# Altium PCB as_x31.PcbDoc (part 1 of 4) (continued)
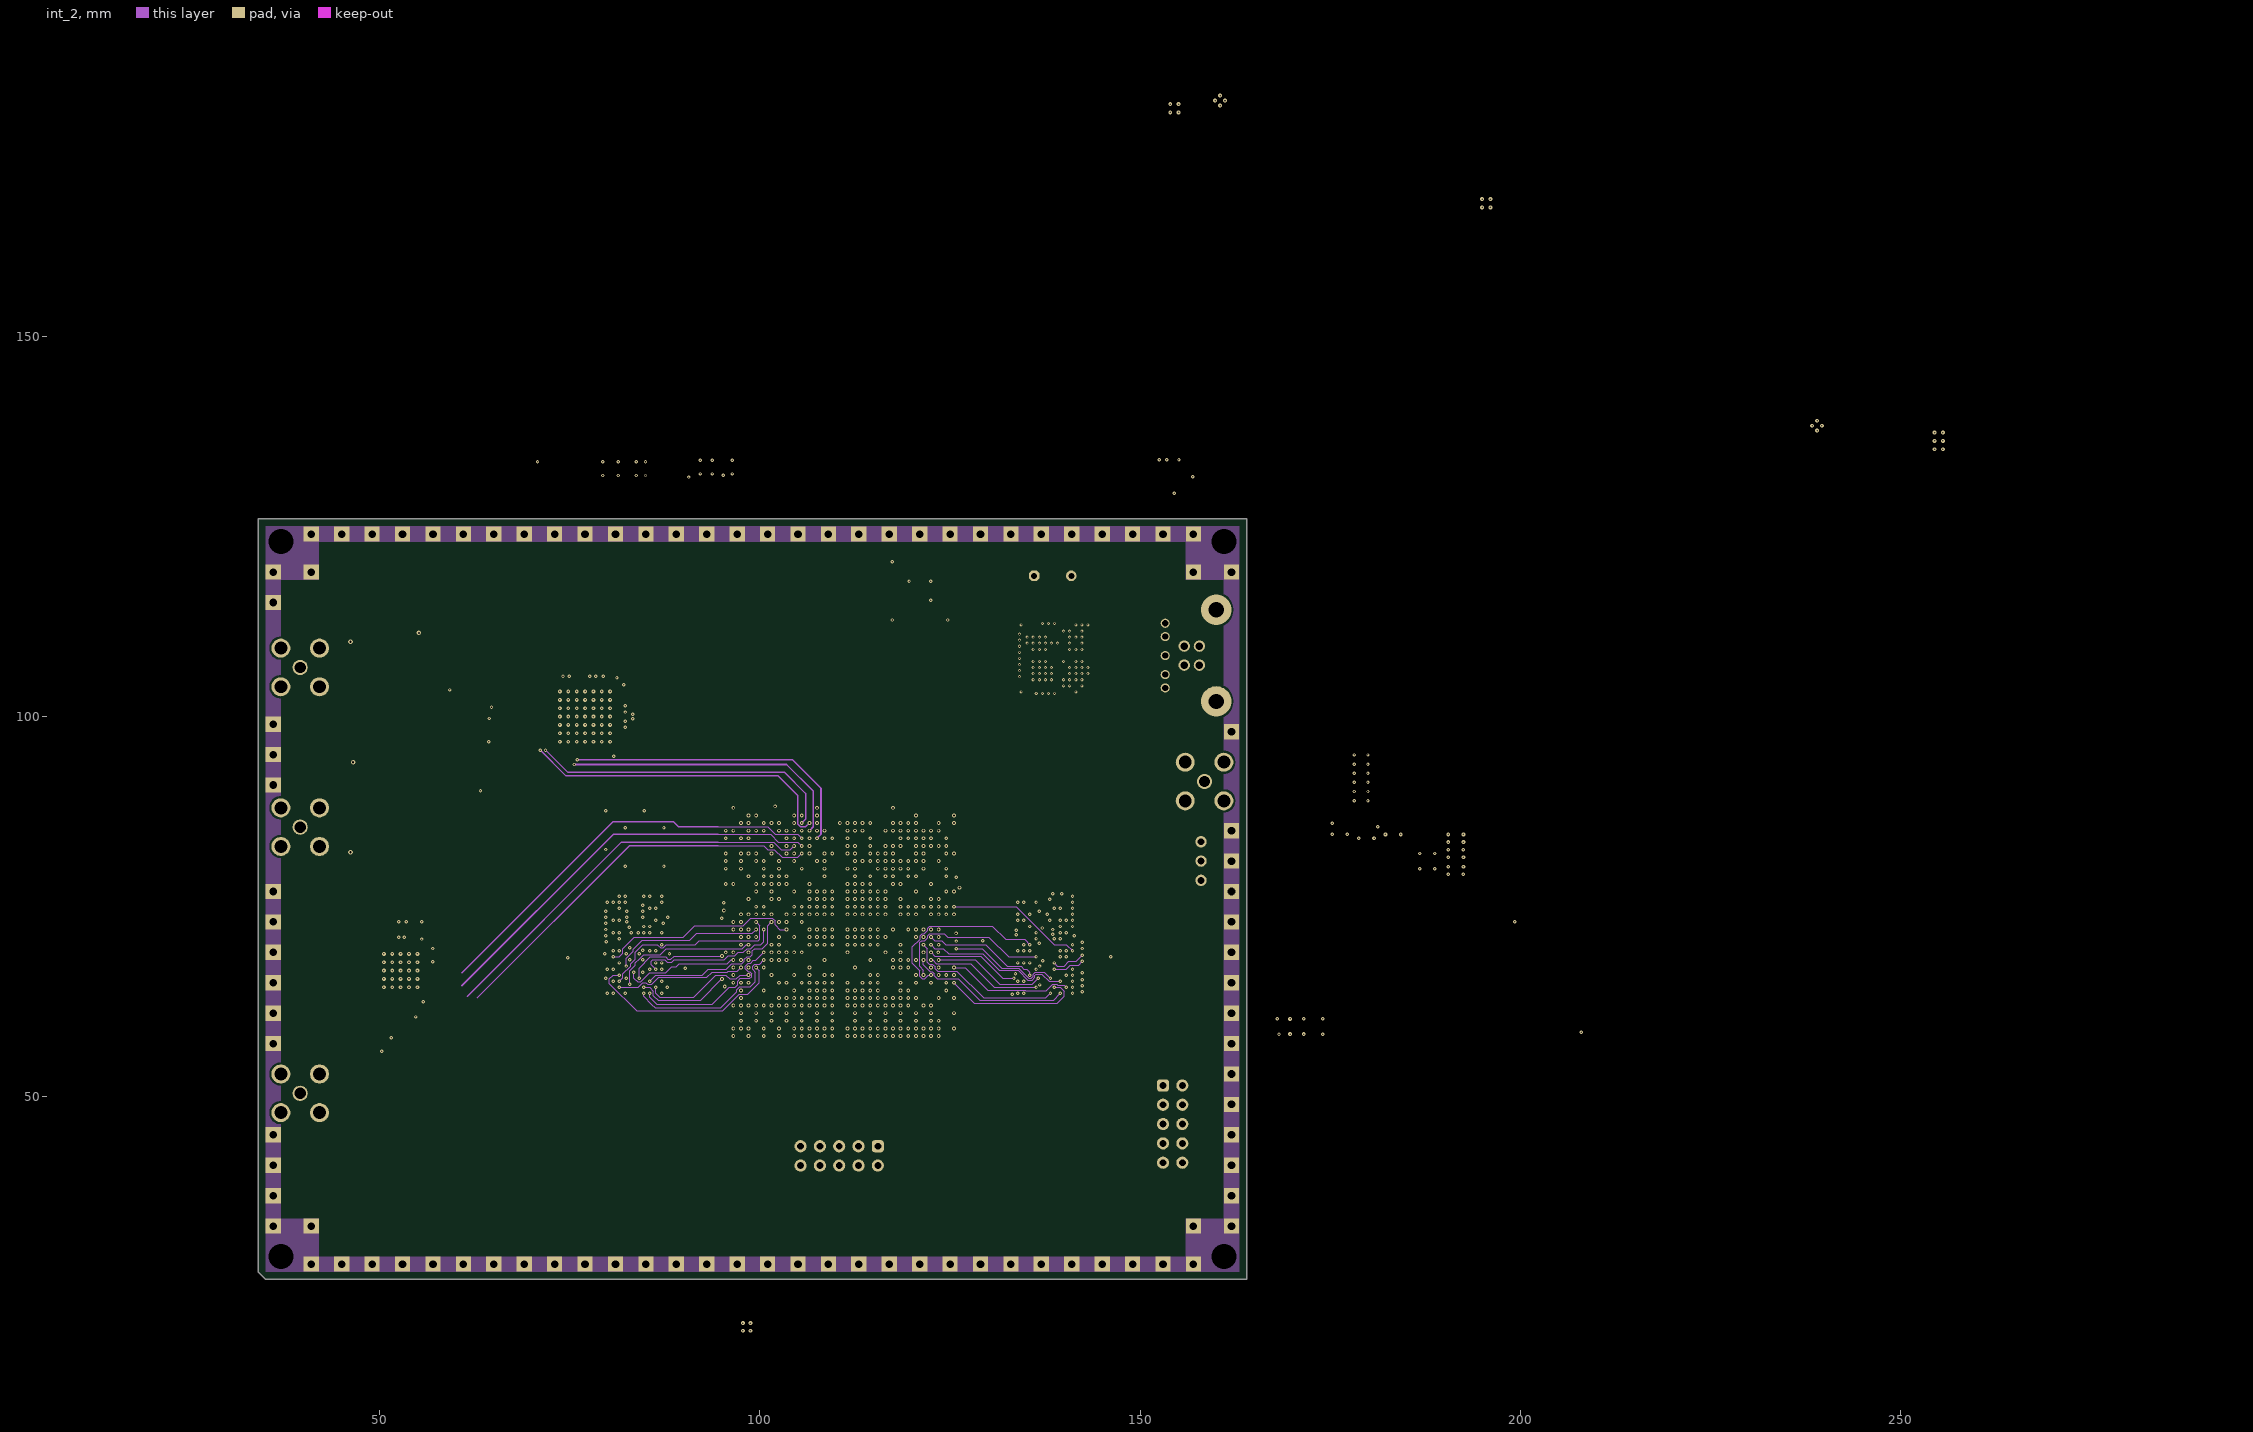
[diagram p4: int_2]
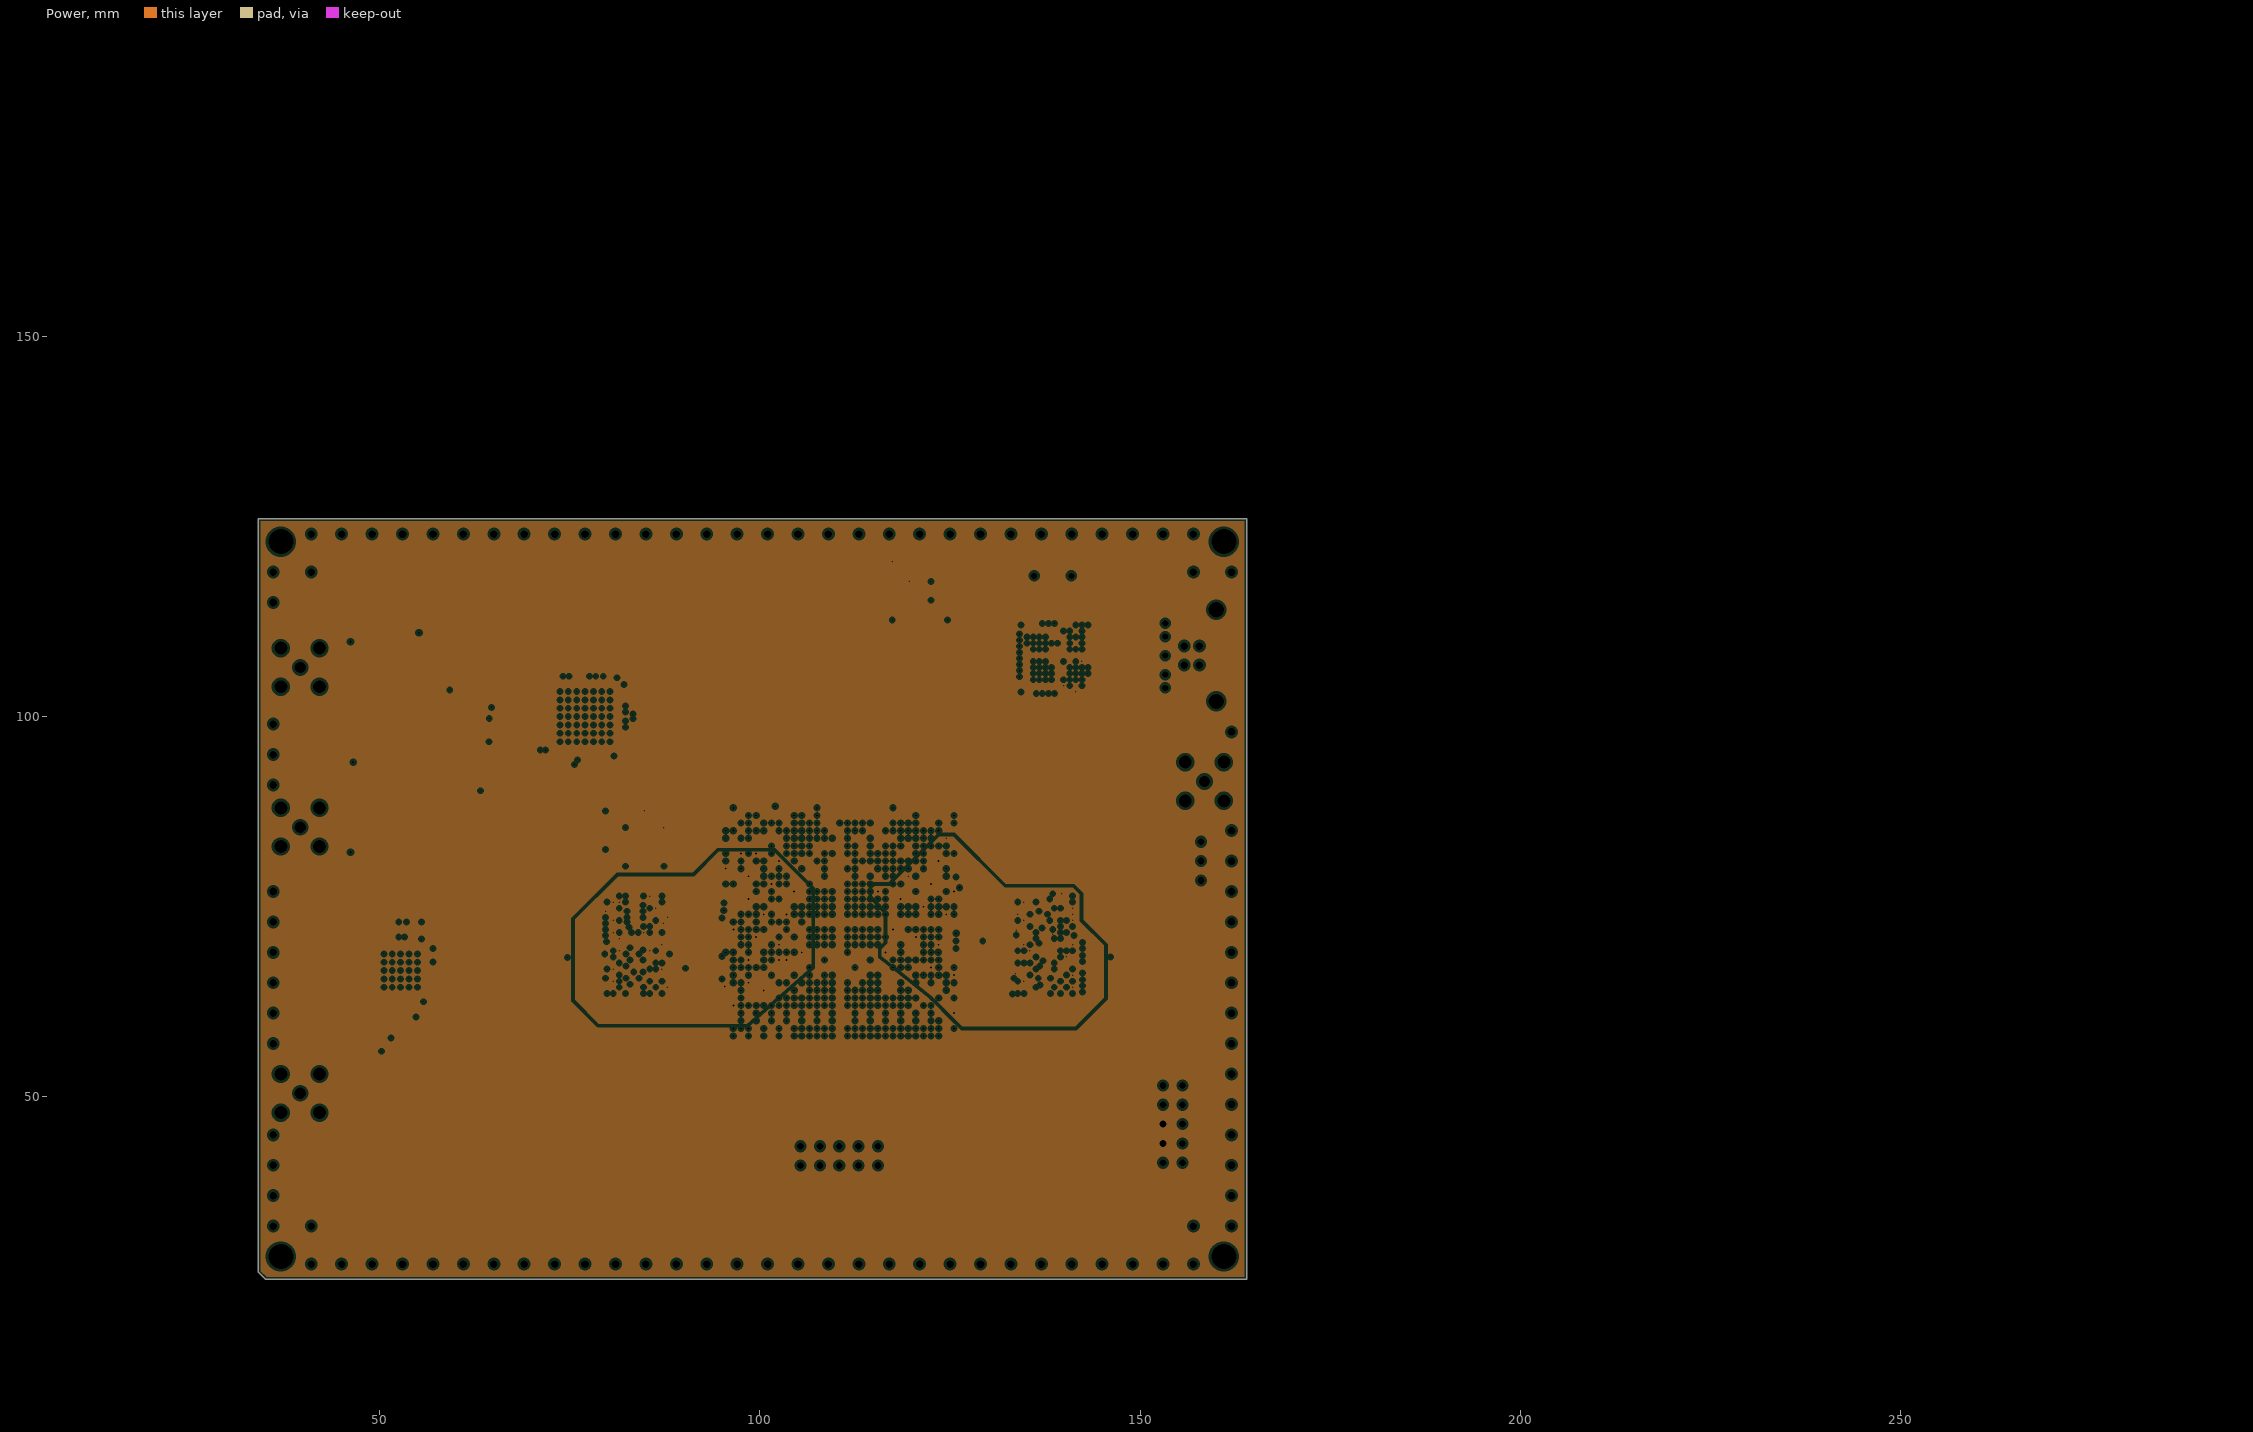
[diagram p5: Power, clearances drawn from the general rule]

## Layer stack, top to bottom
Top Layer: signal copper 0.034
Dielectric: prepreg 0.085, FR-4, Dk 4.3
Ground_1: plane copper 0.018, net (Multiple Nets)
Dielectric: core 0.15, FR-4, Dk 4.4
int_1: signal copper 0.018
Dielectric: prepreg 0.88, FR-4, Dk 4.8
int_2: signal copper 0.018
Dielectric: core 0.15, FR-4, Dk 4.4
Power: plane copper 0.018, net (Multiple Nets)
Dielectric: prepreg 0.085, FR-4, Dk 4.3
Bottom Layer: signal copper 0.034

## Board outline
164,126 164,26 35,26 34,27 34,126 164,126

## Design rules (kind name [scope] priority, off if disabled: settings)
Clearance BGA_0.8 [WithinRoom('Room_D1') or WithinRoom('Room_D2') or WithinRoom('Room_d10')] p1: gap=0.124
Clearance Clearance_FPGA [All vs WithinRoom('FpgaRoom')] p2: gap=0.125
Clearance shield_clearance [InNet('SHIELD')] p3: gap=0.3
Clearance [All] p4: gap=0.15
DiffPairsRouting diff_100_rout [InDifferentialPairClass('dqs') or InDifferentialPairClass('ck')] p1: maxlimit=0.2 minlimit=0.125 mostfreqgap=0.2 toplayer_maxgap=0.14 toplayer_prefgap=0.14 midlayer1_mingap=0.17 midlayer2_mingap=0.17 bottomlayer_maxgap=0.14 bottomlayer_prefgap=0.14 maxuncoupledlength=12.7
DiffPairsRouting diff_90_rout [InDifferentialPairClass('usb')] p2: maxlimit=0.17 minlimit=0.17 mostfreqgap=0.17 maxuncoupledlength=12.7
FanoutControl Fanout_BGA [IsBGA] p1: bgadir=Out bgaviamode=Centered fanoutstyle=BGA fanoutdirection=Alternating viagrid=0.025 // Fanout_BGA (Default Rule)
MatchedLengths DiffPair_MatchedLengths [InDifferentialPair ('D_DDR0_CK')] p1: tolerance=1 checknetsindiffpair=TRUE checkdiffpairvsdiffpair=TRUE checkothers=TRUE
MinimumSolderMaskSliver [All] p1: minsoldermaskwidth=0.1
PlaneClearance PlaneClearance_1p5d [InNet('V1P5D')] p1: clearance=0.3
PlaneClearance [All] p2: clearance=0.35
PlaneConnect [All] p1: planeconnectstyle=Direct reliefexpansion=0.508 reliefentries=4 reliefconductorwidth=0.254 reliefairgap=0.254
PolygonConnect PolygonConnect_1 [InNet('SHIELD')] p1: connectstyle=Direct reliefconductorwidth=0.254 reliefentries=4 polygonreliefangle="90 Angle" airgapwidth=0.254
PolygonConnect [All] p2: connectstyle=Relief reliefconductorwidth=0.254 reliefentries=4 polygonreliefangle="90 Angle" airgapwidth=0.254
RoomDefinition Room_D2 [InComponentClass('Components Class 3')] p1: confinementstyle=ConfineIn formatcopy=TRUE lockcomponents=FALSE outline 78,78 89,78 89,62 78,62
RoomDefinition Room_D1 [InComponentClass('Room Definition 3')] p2: confinementstyle=ConfineIn formatcopy=TRUE lockcomponents=FALSE outline 132,78 143,78 143,62 132,62
RoomDefinition Room_d10 [InComponentClass('Room Definition 2')] p3: confinementstyle=ConfineIn formatcopy=TRUE lockcomponents=FALSE outline 133.2,102.117 133.2,113.8 144.258,113.8 144.258,102.117
RoomDefinition FpgaRoom [InComponentClass('Room Definition 1')] p4: confinementstyle=ConfineIn formatcopy=TRUE lockcomponents=FALSE outline 94.221,56.346 94.221,89.279 126.779,89.279 126.779,56.346
RoutingCorners [All] p1: cornerstyle=Round minsetback=0.5 maxsetback=0.5
RoutingVias [All] p1: holewidth=0.3 width=0.5 viastyle="Through Hole" minholewidth=0.2 minwidth=0.4 maxholewidth=0.4 maxwidth=0.8
SilkToSilkClearance [All] p1: silktosilkclearance=0.15
SilkToSolderMaskClearance [IsPad] p1: minsilkscreentomaskgap=0.15 clearancetoexposedcopper=TRUE
SolderMaskExpansion SolderMaskExpansion_via_all [IsVia] p1: expansion=-1
SolderMaskExpansion [All] p2: expansion=0
SolderMaskExpansion SolderMaskExpansion_bga [IsPad and (InPadClass('bga_1mm') or InPadClass('bga_08mm'))] p3: expansion=0
Width Width_room_d10 [WithinRoom('Room_d10')] p1: maxlimit=0.15 minlimit=0.1 preferedwidth=0.125 midlayer1_minwidth=0.125 midlayer2_minwidth=0.125 minimp=50.000000 maximp=50.000000 favimp=50.000000
Width Width_diff100 [InDifferentialPairClass('dqs') or InDifferentialPairClass('ck')  or InDifferentialPairClass('adc')] p2: maxlimit=0.13 minlimit=0.125 preferedwidth=0.13 toplayer_maxwidth=0.125 toplayer_prefwidth=0.125 midlayer1_minwidth=0.13 midlayer2_minwidth=0.13 bottomlayer_maxwidth=0.125 bottomlayer_prefwidth=0.125 minimp=50.000000 maximp=50.000000 favimp=50.000000 checkconnectedcopper=TRUE
Width Width_diff90 [InDifferentialPairClass('usb')] p3: maxlimit=0.14 minlimit=0.14 preferedwidth=0.14 minimp=50.000000 maximp=50.000000 favimp=50.000000 checkconnectedcopper=TRUE
Width "Width_fpga room" [WithinRoom('FpgaRoom')] p4: maxlimit=2 minlimit=0.125 preferedwidth=0.15
Width Width_power [InNetClass('power')] p5: maxlimit=2 minlimit=0.15 preferedwidth=0.3
Width [All] p6: maxlimit=2 minlimit=0.125 preferedwidth=0.15
20 further rules are at their usual default settings.

## Classes and differential pairs
net class FPGA_conf: FPGA_CONF_DONE FPGA_DATA0 FPGA_DCLK FPGA_NCONFIG FPGA_NSTATUS
net class usb_drv_bus: CTRL0 CTRL1 CTRL2 CTRL3 CTRL4 CTRL5 CTRL6 CTRL7 CTRL8 CTRL9 CTRL10 CTRL11 CTRL12 D0 D1 D2 D3 D4 D5 D6 D7 D8 D9 D10 D11 D12 D13 D14 D15 D16 D17 D18 D19 D20 D21 D22 D23 D24 D25 D26 D27 D28 D29 D30 D31 PCLK
net class ad9517: AD97_CS AD9517_FPGA_CLK AD9517_REF_SEL AD9517_REFMON AD9517_SCLK AD9517_SDIO AD9517_SDO AD9517_STATUS
net class ddr1_d: DDR1_DM0 DDR1_DM1 DDR1_DQ0 DDR1_DQ1 DDR1_DQ2 DDR1_DQ3 DDR1_DQ4 DDR1_DQ5 DDR1_DQ6 DDR1_DQ7 DDR1_DQ8 DDR1_DQ9 DDR1_DQ10 DDR1_DQ11 DDR1_DQ12 DDR1_DQ13 DDR1_DQ14 DDR1_DQ15 DDR1_DQS0_N DDR1_DQS0_P DDR1_DQS1_N DDR1_DQS1_P
net class ddr1_a_c: DDR1_A0 DDR1_A1 DDR1_A2 DDR1_A3 DDR1_A4 DDR1_A5 DDR1_A6 DDR1_A7 DDR1_A8 DDR1_A9 DDR1_A10 DDR1_A11 DDR1_A12 DDR1_A13 DDR1_A14 DDR1_BA0 DDR1_BA1 DDR1_BA2 DDR1_CAS DDR1_CK_N DDR1_CK_P DDR1_CS DDR1_RAS DDR1_WE
component class "Room Definition 2": D10
component class "Room Definition 1": D4
net class power: 0V 0VA 12V V0P75D V1P1D V1P2D V1P5D V1P8A V1P8D V1P8DVDD V2P5D V3P3D VCC_AUX VCCPGM VREF VREFDDR0 VREFDDR1
differential pair class adc: D_ADC_CLK_ D_ADC_D0_ D_ADC_D1_ D_ADC_D2_ D_ADC_D3_ D_ADC_D4_ D_ADC_D5_ D_ADC_D6_ D_ADC_D7_ D_ADC_D8_ D_ADC_D9_ D_ADC_D10_ D_ADC_D11_ D_ADC_D12_ D_ADC_D13_ D_ADC_DCO_
component class as14120_x31_usb: C179 C180 C181 C182 C183 C184 C185 C186 C187 C188 C189 C190 C191 C192 C193 C194 C195 C196 C197 C198 C199 C200 C201 C202 C203 C204 C205 C206 C207 C208 C209 C210 C211 C212 C213 C214 D10 D11 D12 L10 L11 L12 R57 R58 R59 R60 R61 R62 R63 R64 R65 R66 R67 R68 R69 R70 R71 R72 R73 R74 R75 R76 R77 R78 R79 R80 R81 R82 R83 R84 R108 R109 VG1 X4 ZQ1
component class as14120_x31_power: C143 C144 C145 C146 C147 C148 C149 C150 C151 C152 C153 C154 C155 C156 C157 C158 C159 C160 C161 C162 C163 C164 C165 C166 C167 C168 C169 C170 C171 C172 C173 C174 C175 C176 C177 C178 D6 D7 D8 D9 L6 L7 L8 L9 L17 L18 L19 L20 L21 L22 L23 L24 R40 R41 R42 R43 R44 R45 R46 R47 R48 R49 R50 R51 R52 R53 R54 R55 R56 VD1 X3
component class as14120_x31_fpga_ttl: D4 D5 R34 R35 R36 R37 R38 R39 X2
component class as14120_x31_fpga_power_conf: C63 C64 C65 C66 C67 C68 C69 C70 C71 C72 C73 C74 C75 C76 C77 C78 C79 C80 C81 C82 C83 C84 C85 C86 C87 C88 C89 C90 C91 C92 C93 C94 C95 C96 C97 C98 C99 C100 C101 C102 C103 C104 C105 C106 C107 C108 C109 C110 C111 C112 C113 C114 C115 C116 C117 C118 C119 C120 C121 C122 C123 C124 C125 C126 C127 C128 C129 C130 C131 C132 C133 C134 C135 C136 C137 C138 C139 C140 C141 C142 L3 L4 L5 R25 R26 R27 R28 R29 R30 R31 R32 R33 X1
component class as14120_x31_fpga_ddr: R23 R24
component class as14120_x31_fpga_cypress: R22
component class as14120_x31_ddr: C1 C2 C3 C4 C5 C6 C7 C8 C9 C10 C11 C12 C13 C14 C15 C16 C17 C18 C19 C20 C21 C22 C23 C24 C25 C26 C27 C28 C29 C30 C31 C32 C33 C34 C35 C36 C37 C38 C39 C40 C41 C42 C43 C44 C45 C46 C47 C48 C49 C50 C51 C52 C53 C54 C55 C56 C57 C58 C59 C60 C61 C62 C248 C249 D1 D2 D3 L1 L2 R1 R2 R3 R4 R5 R6 R7 R8 R9 R10 R11 R12 R13 R14 R15 R16 R17 R18 R19 R20
component class as14120_x31_adc: C215 C216 C217 C218 C219 C220 C221 C222 C223 C224 C225 C226 C227 C228 C229 C230 C231 C232 C233 C234 C235 C236 C237 C238 C239 C240 C241 C242 C243 C244 C245 C246 C247 D13 D14 D15 L13 L14 L15 L16 R85 R86 R87 R88 R89 R90 R91 R92 R93 R94 R95 R96 R97 R98 R99 R100 R101 R102 R103 R104 R105 R106 R107 T1 T2 VD2 VG2 X5 X6 X7 X8
differential pair class dqs: D_DDR0_DQS0_ D_DDR0_DQS1_ D_DDR1_DQS0_ D_DDR1_DQS1_
differential pair class ck: D_DDR0_CK_ D_DDR1_CK_
pad class bga_08mm: D1-A1 D1-A2 D1-A3 D1-A7 D1-A8 D1-A9 D1-B1 D1-B2 D1-B3 D1-B7 D1-B8 D1-B9 D1-C1 D1-C2 D1-C3 D1-C7 D1-C8 D1-C9 D1-D1 D1-D2 D1-D3 D1-D7 D1-D8 D1-D9 D1-E1 D1-E2 D1-E3 D1-E7 D1-E8 D1-E9 D1-F1 D1-F2 D1-F3 D1-F7 D1-F8 D1-F9 D1-G1 D1-G2 D1-G3 D1-G7 D1-G8 D1-G9 D1-H1 D1-H2 D1-H3 D1-H7 D1-H8 D1-H9 D1-J1 D1-J2 D1-J3 D1-J7 D1-J8 D1-J9 D1-K1 D1-K2 D1-K3 D1-K7 D1-K8 D1-K9 D1-L1 D1-L2 D1-L3 D1-L7 D1-L8 D1-L9 D1-M1 D1-M2 D1-M3 D1-M7 D1-M8 D1-M9 D1-N1 D1-N2 D1-N3 D1-N7 D1-N8 D1-N9 D1-P1 D1-P2 D1-P3 D1-P7 D1-P8 D1-P9 D1-R1 D1-R2 D1-R3 D1-R7 D1-R8 D1-R9 D1-T1 D1-T2 D1-T3 D1-T7 D1-T8 D1-T9 D10-A1 D10-A2 D10-A3 D10-A4 D10-A5 D10-A6 D10-A7 D10-A8 D10-A9 D10-A10 D10-A11 D10-B1 D10-B2 D10-B3 D10-B4 D10-B5 D10-B6 D10-B7 D10-B8 D10-B9 D10-B10 D10-B11 D10-C1 D10-C2 D10-C3 D10-C4 D10-C5 D10-C6 D10-C7 D10-C8 D10-C9 D10-C10 D10-C11 D10-D1 D10-D2 D10-D3 D10-D4 D10-D5 D10-D6 D10-D7 D10-D8 D10-D9 D10-D10 D10-D11 D10-E1 D10-E2 D10-E3 D10-E4 D10-E5 D10-E6 D10-E7 D10-E8 D10-E9 D10-E10 D10-E11 D10-F1 D10-F2 D10-F3 D10-F4 D10-F5 D10-F6 D10-F7 D10-F8 D10-F9 D10-F10 D10-F11 D10-G1 D10-G2 D10-G3 D10-G4 D10-G5 D10-G6 D10-G7 D10-G8 D10-G9 D10-G10 D10-G11 D10-H1 D10-H2 D10-H3 D10-H4 D10-H5 D10-H6 D10-H7 D10-H8 D10-H9 D10-H10 D10-H11 D10-J1 D10-J2 D10-J3 D10-J4 D10-J5 D10-J6 D10-J7 D10-J8 D10-J9 D10-J10 D10-J11 D10-K1 D10-K2 D10-K3 D10-K4 D10-K5 D10-K6 D10-K7 D10-K8 D10-K9 D10-K10 D10-K11 D10-L1 D10-L2 D10-L3 D10-L4 D10-L5 D10-L6 D10-L7 D10-L8 D10-L9 D10-L10 D10-L11
pad class bga_1mm: D4-A2 D4-A3 D4-A4 D4-A5 D4-A6 D4-A7 D4-A8 D4-A9 D4-A10 D4-A11 D4-A12 D4-A13 D4-A14 D4-A15 D4-A16 D4-A17 D4-A18 D4-A19 D4-A20 D4-A21 D4-A22 D4-A23 D4-A24 D4-A25 D4-A26 D4-A27 D4-A28 D4-A29 D4-AA1 D4-AA2 D4-AA3 D4-AA4 D4-AA5 D4-AA6 D4-AA7 D4-AA8 D4-AA9 D4-AA10 D4-AA11 D4-AA12 D4-AA13 D4-AA14 D4-AA15 D4-AA16 D4-AA17 D4-AA18 D4-AA19 D4-AA20 D4-AA21 D4-AA22 D4-AA23 D4-AA24 D4-AA25 D4-AA26 D4-AA27 D4-AA28 D4-AA29 D4-AA30 D4-AB1 D4-AB2 D4-AB3 D4-AB4 D4-AB5 D4-AB6 D4-AB7 D4-AB8 D4-AB9 D4-AB10 D4-AB11 D4-AB12 D4-AB13 D4-AB14 D4-AB15 D4-AB16 D4-AB17 D4-AB18 D4-AB19 D4-AB20 D4-AB21 D4-AB22 D4-AB23 D4-AB24 D4-AB25 D4-AB26 D4-AB27 D4-AB28 D4-AB29 D4-AB30 D4-AC1 D4-AC2 D4-AC3 D4-AC4 D4-AC5 D4-AC6 D4-AC7 D4-AC8 D4-AC9 D4-AC10 D4-AC11 D4-AC12 D4-AC13 D4-AC14 D4-AC15 D4-AC16 D4-AC17 D4-AC18 D4-AC19 D4-AC20 D4-AC21 D4-AC22 D4-AC23 D4-AC24 D4-AC25 D4-AC26 D4-AC27 D4-AC28 D4-AC29 D4-AC30 D4-AD1 D4-AD2 D4-AD3 D4-AD4 D4-AD5 D4-AD6 D4-AD7 D4-AD8 D4-AD9 D4-AD10 D4-AD11 D4-AD12 D4-AD13 D4-AD14 D4-AD15 D4-AD16 D4-AD17 D4-AD18 D4-AD19 D4-AD20 D4-AD21 D4-AD22 D4-AD23 D4-AD24 D4-AD25 D4-AD26 D4-AD27 D4-AD28 D4-AD29 D4-AD30 D4-AE1 D4-AE2 D4-AE3 D4-AE4 D4-AE5 D4-AE6 D4-AE7 D4-AE8 D4-AE9 D4-AE10 D4-AE11 D4-AE12 D4-AE13 D4-AE14 D4-AE15 D4-AE16 D4-AE17 D4-AE18 D4-AE19 D4-AE20 D4-AE21 D4-AE22 D4-AE23 D4-AE24 D4-AE25 D4-AE26 D4-AE27 D4-AE28 D4-AE29 D4-AE30 D4-AF1 D4-AF2 D4-AF3 D4-AF4 D4-AF5 D4-AF6 D4-AF7 D4-AF8 D4-AF9 D4-AF10 D4-AF11 D4-AF12 D4-AF13 D4-AF14 D4-AF15 D4-AF16 D4-AF17 D4-AF18 D4-AF19 D4-AF20 D4-AF21 D4-AF22 D4-AF23 D4-AF24 D4-AF25 D4-AF26 D4-AF27 D4-AF28 D4-AF29 D4-AF30 D4-AG1 D4-AG2 D4-AG3 D4-AG4 D4-AG5 D4-AG6 D4-AG7 D4-AG8 D4-AG9 D4-AG10 D4-AG11 D4-AG12 D4-AG13 D4-AG14 D4-AG15 D4-AG16 D4-AG17 D4-AG18 D4-AG19 D4-AG20 D4-AG21 D4-AG22 D4-AG23 D4-AG24 D4-AG25 D4-AG26 D4-AG27 D4-AG28 D4-AG29 D4-AG30 D4-AH1 D4-AH2 D4-AH3 D4-AH4 D4-AH5 D4-AH6 D4-AH7 D4-AH8 D4-AH9 D4-AH10 D4-AH11 D4-AH12 D4-AH13 D4-AH14 D4-AH15 D4-AH16 D4-AH17 D4-AH18 D4-AH19 D4-AH20 D4-AH21 D4-AH22 D4-AH23 D4-AH24 D4-AH25 D4-AH26 D4-AH27 D4-AH28 D4-AH29 D4-AH30 D4-AJ1 D4-AJ2 D4-AJ3 D4-AJ4 D4-AJ5 D4-AJ6 D4-AJ7 D4-AJ8 D4-AJ9 D4-AJ10 D4-AJ11 D4-AJ12 D4-AJ13 D4-AJ14 D4-AJ15 D4-AJ16 D4-AJ17 D4-AJ18 D4-AJ19 D4-AJ20 D4-AJ21 D4-AJ22 D4-AJ23 D4-AJ24 D4-AJ25 D4-AJ26 D4-AJ27 D4-AJ28 D4-AJ29 D4-AJ30 D4-AK2 D4-AK3 D4-AK4 D4-AK5 D4-AK6 D4-AK7 D4-AK8 D4-AK9 D4-AK10 D4-AK11 D4-AK12 D4-AK13 D4-AK14 D4-AK15 D4-AK16 D4-AK17 D4-AK18 D4-AK19 D4-AK20 D4-AK21 D4-AK22 D4-AK23 D4-AK24 D4-AK25 D4-AK26 D4-AK27 D4-AK28 D4-AK29 D4-B1 D4-B2 D4-B3 D4-B4 D4-B5 D4-B6 D4-B7 D4-B8 D4-B9 D4-B10 D4-B11 D4-B12 D4-B13 D4-B14 D4-B15 D4-B16 D4-B17 D4-B18 D4-B19 D4-B20 D4-B21 D4-B22 D4-B23 D4-B24 D4-B25 D4-B26 D4-B27 D4-B28 D4-B29 D4-B30 D4-C1 D4-C2 D4-C3 D4-C4 D4-C5 D4-C6 D4-C7 D4-C8 D4-C9 D4-C10 D4-C11 D4-C12 D4-C13 D4-C14 D4-C15 D4-C16 D4-C17 D4-C18 D4-C19 D4-C20 D4-C21 D4-C22 D4-C23 D4-C24 D4-C25 D4-C26 D4-C27 D4-C28 D4-C29 D4-C30 D4-D1 D4-D2 D4-D3 D4-D4 D4-D5 D4-D6 D4-D7 D4-D8 D4-D9 D4-D10 D4-D11 D4-D12 D4-D13 D4-D14 D4-D15 D4-D16 D4-D17 D4-D18 D4-D19 D4-D20 D4-D21 D4-D22 D4-D23 D4-D24 D4-D25 D4-D26 D4-D27 D4-D28 D4-D29 D4-D30 D4-E1 D4-E2 D4-E3 D4-E4 D4-E5 D4-E6 D4-E7 D4-E8 D4-E9 D4-E10 D4-E11 D4-E12 D4-E13 D4-E14 D4-E15 D4-E16 D4-E17 D4-E18 D4-E19 D4-E20 D4-E21 D4-E22 D4-E23 D4-E24 D4-E25 D4-E26 D4-E27 D4-E28 D4-E29 D4-E30 D4-F1 D4-F2 D4-F3 D4-F4 D4-F5 D4-F6 D4-F7 D4-F8 D4-F9 D4-F10 D4-F11 D4-F12 D4-F13 D4-F14 D4-F15 D4-F16 D4-F17 D4-F18 D4-F19 D4-F20 D4-F21 D4-F22 D4-F23 D4-F24 D4-F25 D4-F26 D4-F27 D4-F28 D4-F29 D4-F30 D4-G1 D4-G2 D4-G3 D4-G4 D4-G5 D4-G6 D4-G7 D4-G8 D4-G9 D4-G10 D4-G11 D4-G12 D4-G13 D4-G14 D4-G15 D4-G16 D4-G17 D4-G18 D4-G19 D4-G20 D4-G21 D4-G22 D4-G23 D4-G24 D4-G25 D4-G26 D4-G27 D4-G28 D4-G29 D4-G30 D4-H1 D4-H2 D4-H3 D4-H4 D4-H5 D4-H6 D4-H7 D4-H8 D4-H9 D4-H10 D4-H11 D4-H12 D4-H13 D4-H14 D4-H15 D4-H16 D4-H17 D4-H18 D4-H19 D4-H20 D4-H21 D4-H22 D4-H23 D4-H24 D4-H25 D4-H26 D4-H27 D4-H28 D4-H29 D4-H30 D4-J1 D4-J2 D4-J3 D4-J4 D4-J5 D4-J6 D4-J7 D4-J8 D4-J9 D4-J10 D4-J11 D4-J12 D4-J13 D4-J14 D4-J15 D4-J16 D4-J17 D4-J18 D4-J19 D4-J20 D4-J21 D4-J22 D4-J23 D4-J24 D4-J25 D4-J26 D4-J27 D4-J28 D4-J29 D4-J30 D4-K1 D4-K2 D4-K3 D4-K4 D4-K5 D4-K6 D4-K7 D4-K8 D4-K9 D4-K10 D4-K11 D4-K12 D4-K13 D4-K14 D4-K15 D4-K16 D4-K17 D4-K18 D4-K19 D4-K20 D4-K21 D4-K22 D4-K23 D4-K24 D4-K25 D4-K26 D4-K27 D4-K28 D4-K29 D4-K30 D4-L1 D4-L2 D4-L3 D4-L4 D4-L5 D4-L6 D4-L7 D4-L8 D4-L9 D4-L10 D4-L11 D4-L12 D4-L13 D4-L14 D4-L15 D4-L16 D4-L17 D4-L18 D4-L19 D4-L20 D4-L21 D4-L22 D4-L23 D4-L24 D4-L25 D4-L26 D4-L27 D4-L28 D4-L29 D4-L30 D4-M1 D4-M2 D4-M3 D4-M4 D4-M5 D4-M6 D4-M7 D4-M8 D4-M9 D4-M10 D4-M11 D4-M12 D4-M13 D4-M14 D4-M15 D4-M16 D4-M17 D4-M18 D4-M19 D4-M20 D4-M21 D4-M22 D4-M23 D4-M24 D4-M25 D4-M26 D4-M27 D4-M28 D4-M29 D4-M30 D4-N1 D4-N2 D4-N3 D4-N4 D4-N5 D4-N6 D4-N7 D4-N8 D4-N9 D4-N10 D4-N11 D4-N12 D4-N13 D4-N14 D4-N15 D4-N16 D4-N17 D4-N18 D4-N19 D4-N20 D4-N21 D4-N22 D4-N23 D4-N24 D4-N25 D4-N26 D4-N27 D4-N28 D4-N29 D4-N30 D4-P1 D4-P2 D4-P3 D4-P4 D4-P5 D4-P6 D4-P7 D4-P8 D4-P9 D4-P10 D4-P11 D4-P12 D4-P13 D4-P14 D4-P15 D4-P16 D4-P17 D4-P18 D4-P19 D4-P20 D4-P21 D4-P22 D4-P23 D4-P24 D4-P25 D4-P26 D4-P27 D4-P28 D4-P29 D4-P30 D4-R1 D4-R2 D4-R3 D4-R4 D4-R5 D4-R6 D4-R7 D4-R8 D4-R9 D4-R10 D4-R11 D4-R12 D4-R13 D4-R14 D4-R15 D4-R16 D4-R17 D4-R18 D4-R19 D4-R20 D4-R21 D4-R22 D4-R23 D4-R24 D4-R25 D4-R26 D4-R27 D4-R28 D4-R29 D4-R30 D4-T1 D4-T2 D4-T3 D4-T4 D4-T5 D4-T6 D4-T7 D4-T8 D4-T9 D4-T10 D4-T11 D4-T12 D4-T13 D4-T14 D4-T15 D4-T16 D4-T17 D4-T18 D4-T19 D4-T20 D4-T21 D4-T22 D4-T23 D4-T24 D4-T25 D4-T26 D4-T27 D4-T28 D4-T29 D4-T30 D4-U1 D4-U2 D4-U3 D4-U4 D4-U5 D4-U6 D4-U7 D4-U8 D4-U9 D4-U10 D4-U11 D4-U12 D4-U13 D4-U14 D4-U15 D4-U16 D4-U17 D4-U18 D4-U19 D4-U20 D4-U21 D4-U22 D4-U23 D4-U24 D4-U25 D4-U26 D4-U27 D4-U28 D4-U29 D4-U30 D4-V1 D4-V2 D4-V3 D4-V4 D4-V5 D4-V6 D4-V7 D4-V8 D4-V9 D4-V10 D4-V11 D4-V12 D4-V13 D4-V14 D4-V15 D4-V16 D4-V17 D4-V18 D4-V19 D4-V20 D4-V21 D4-V22 D4-V23 D4-V24 D4-V25 D4-V26 D4-V27 D4-V28 D4-V29 D4-V30 D4-W1 D4-W2 D4-W3 D4-W4 D4-W5 D4-W6 D4-W7 D4-W8 D4-W9 D4-W10 D4-W11 D4-W12 D4-W13 D4-W14 D4-W15 D4-W16 D4-W17 D4-W18 D4-W19 D4-W20 D4-W21 D4-W22 D4-W23 D4-W24 D4-W25 D4-W26 D4-W27 D4-W28 D4-W29 D4-W30 D4-Y1 D4-Y2 D4-Y3 D4-Y4 D4-Y5 D4-Y6 D4-Y7 D4-Y8 D4-Y9 D4-Y10 D4-Y11 D4-Y12 D4-Y13 D4-Y14 D4-Y15 D4-Y16 D4-Y17 D4-Y18 D4-Y19 D4-Y20 D4-Y21 D4-Y22 D4-Y23 D4-Y24 D4-Y25 D4-Y26 D4-Y27 D4-Y28 D4-Y29 D4-Y30
differential pair class usb: SS_RX SS_TX USB
component class "Components Class 1": D1
component class "Components Class 3": D2
net class ddr0_d: DDR0_DM0 DDR0_DM1 DDR0_DQ0 DDR0_DQ1 DDR0_DQ2 DDR0_DQ3 DDR0_DQ4 DDR0_DQ5 DDR0_DQ6 DDR0_DQ7 DDR0_DQ8 DDR0_DQ9 DDR0_DQ10 DDR0_DQ11 DDR0_DQ12 DDR0_DQ13 DDR0_DQ14 DDR0_DQ15 DDR0_DQS0_N DDR0_DQS0_P DDR0_DQS1_N DDR0_DQS1_P